# Altium PCB PCB.PcbDoc (part 3 of 3)
Units mm, origin at the board's own origin, x right, y up, seen from the top; angles counter-clockwise.
Board outline 85 x 56 mm, 4 copper layers (L01_SIG/PWR, L02_GND, L03_SIG, L04_SIG/PWR), stack 1.586 mm thick; 279 components, 197 nets, 982 pads, 787 vias.
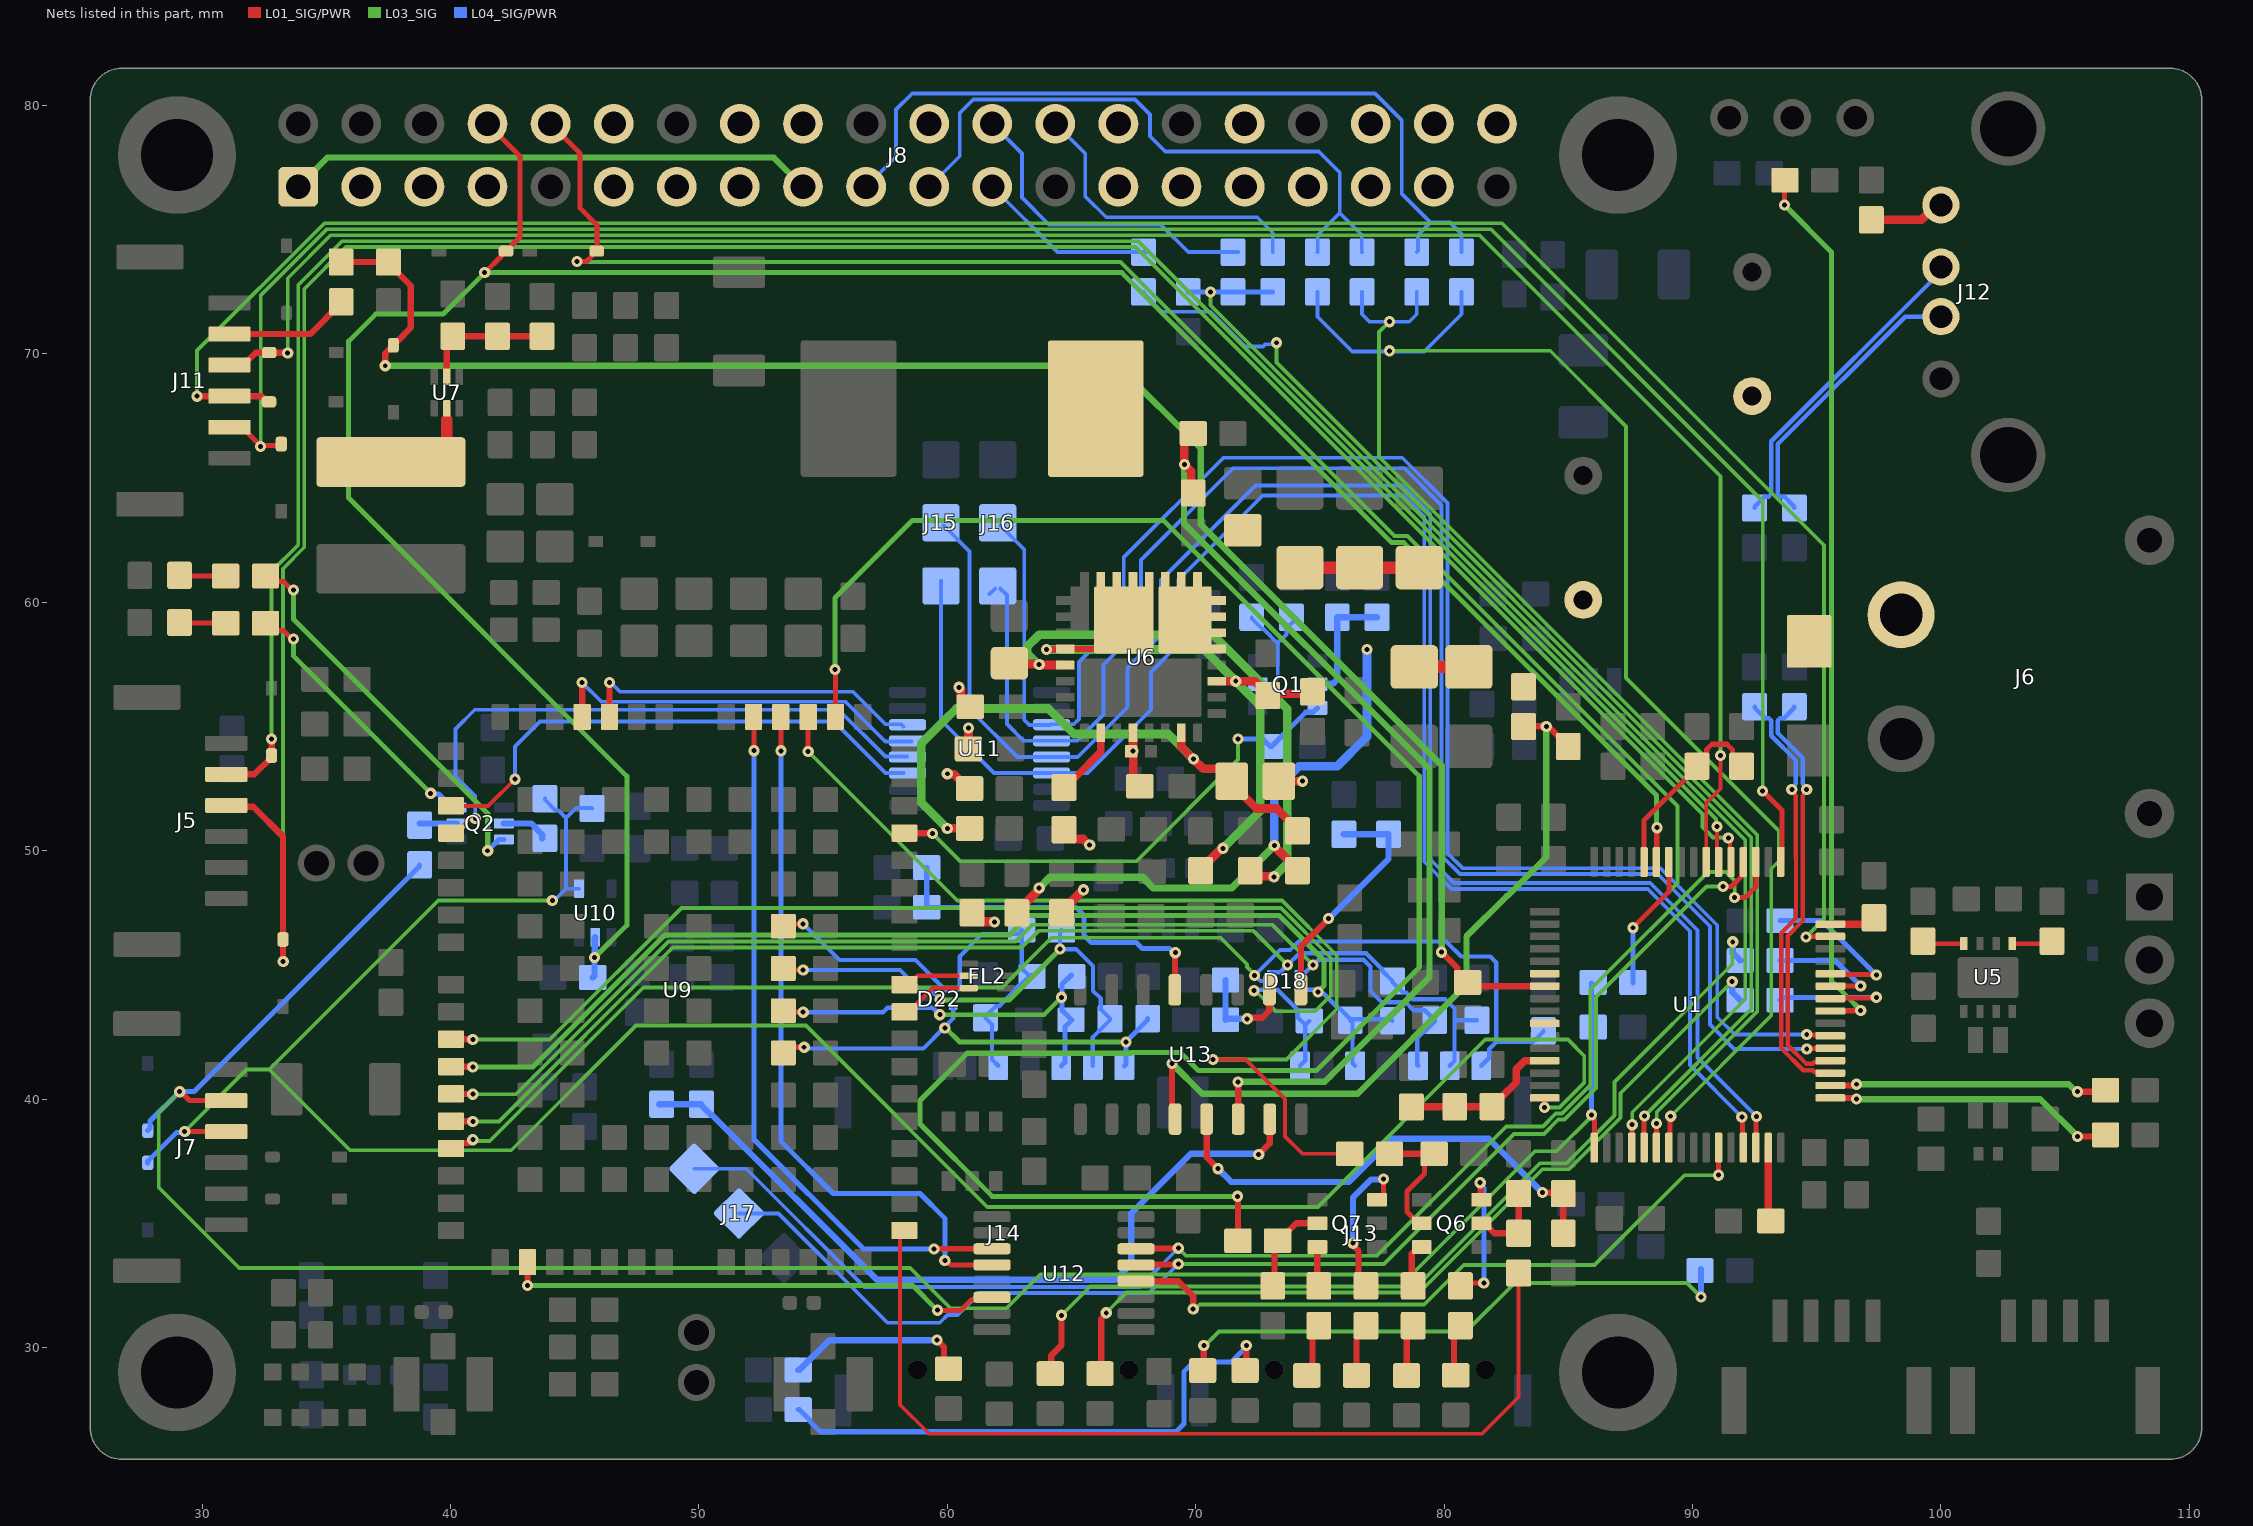
[diagram p5: the nets of this part, all layers, seen from the top]

## Via types
v1: diameter 0.45, hole 0.2, L01_SIG/PWR to L04_SIG/PWR, tented both sides, 787 vias

## Nets (pads, with @x,y where several pads share a name; then routed paths per layer and width w, separated by ;. In a path a pad name is that pad's centre, name@x,y a point inside that pad or via, vN(x,y) a via of type N, cw(c..) or ccw(c..) an arc to the next point about the centre after c; other vN are vias at no path point) (continued)
NetD2_2: D2.2 R3.2 | length 38
  L01_SIG/PWR w0.254: D2.2@64.146,28.95 64.182,28.986 64.182,29.682 64.6,30.1 v1(64.6,31.297)
  L03_SIG w0.152: v1@64.6,31.3 65.759,32.459 78.9,32.459 83.859,37.417 84.928,37.417 86.859,39.348 86.859,40.692 91.6,45.433 91.6,46.314 v1(91.621,46.334)
  L04_SIG/PWR w0.254: v1(91.621,46.334) 91.621,45.889 R3.2@91.925,45.584
NetD3_2: D3.2 R4.2 | length 34.7
  L01_SIG/PWR w0.254: D3.2@66.2,29 66.2,31.153 66.4,31.353 v1(66.4,31.4)
  L03_SIG w0.152: v1(66.4,31.4) 67.217,32.217 79,32.217 83.959,37.176 85.028,37.176 87.1,39.248 87.1,40.234 v1(91.6,44.734)
  L04_SIG/PWR w0.254: v1(91.6,44.734) 91.6,44.309 R4.2@91.925,43.984
NetD19_2: D19.2 R58.2 | length 2.2
  L01_SIG/PWR w0.254: D19.2@80.4,28.612 80.4,30.55 R58.2@80.6,30.75
NetD20_2: D20.2 R59.2 | length 2.2
  L01_SIG/PWR w0.254: D20.2@78.5,28.669 78.5,30.55 R59.2@78.7,30.75
NetD21_2: D21.2 R129.2 | length 2.1
  L01_SIG/PWR w0.254: D21.2@76.475,28.779 76.475,30.425 R129.2@76.8,30.75
NetD32_1: D32.1 R123.1 | length 22.3
  L01_SIG/PWR w0.254: D32.1@72.039,28.986 v1(72.039,30.087)
  L04_SIG/PWR w0.203: R123.1@54,27.5 54.05,27.5 54.448,27.102 54.448,27.052 54.889,26.611 69.211,26.611 69.524,26.924 69.524,29.024 69.91,29.41 71.421,29.41 v1@72.111,30.1
NetD33_1: D33.1 R124.1 | length 7.5
  L01_SIG/PWR w0.254: v1(59.59,30.3) 59.865,30.025 59.865,29.435 D33.1@60.2,29.1
  L04_SIG/PWR w0.254: R124.1@54,29.1 54.05,29.1 55.25,30.3 v1(59.59,30.3)
NetD34_1: D34.1 R125.1 | length 23.4
  L01_SIG/PWR w0.254: D34.1@70.328,29.041 v1(70.328,30.087)
  L03_SIG w0.152: v1@70.4,30.1 70.941,30.641 80.887,30.641 82.846,32.6 89.78,32.6 v1(90.341,32.04)
  L04_SIG/PWR w0.254: v1(90.341,32.04) R125.1@90.341,33.159
NetD35_2: D35.2 R130.2 | length 2.1
  L01_SIG/PWR w0.254: D35.2@74.475,28.779 74.7,29.004 74.7,30.55 R130.2@74.9,30.75
NetQ1_2: Q1.2 R49.1 R51.2 | length 5.3
  L04_SIG/PWR w0.152: Q1.2@72.176,56.704 72.244,56.772 Q1.2@72.244,56.831 ; R51.2@72.254,59.4 72.254,59.35 72.678,58.926 72.728,58.926 73.3,58.354 ; Q1.2@72.5,56.7 73.05,56.7 73.3,56.95 73.3,58.354 ; R49.1@74.054,59.353 73.657,58.955 73.657,58.711 73.3,58.354
NetQ1_5: Q1.5 R50.1 R52.2 | length 5
  L04_SIG/PWR w0.254: Q1.5@74.9,56.716 74.916,56.732 75.532,56.732 75.7,56.9 R50.1@75.7,59.4 75.9,59.4 R52.2@77.3,59.4
NetQ6_3: Q6.3 R59.1 | length 1.9
  L01_SIG/PWR w0.254: R59.1@78.7,32.35 78.7,33.775 78.975,34.05 Q6.3@79.1,34.05
NetQ6_6: Q6.6 R58.1 | length 5.8
  L01_SIG/PWR w0.203: R58.1@80.655,32.483 80.773,32.6 v1(81.6,32.6)
  L01_SIG/PWR w0.254: v1(81.453,36.637) 81.477,36.614 81.477,35.973 Q6.6@81.5,35.95
  L04_SIG/PWR w0.203: v1(81.453,36.637) 81.453,36.571 81.6,36.424 v1(81.6,32.6)
NetQ7_3: Q7.3 R130.1 | length 1.7
  L01_SIG/PWR w0.254: R130.1@74.9,32.35 Q7.3@74.9,34.05
NetQ7_6: Q7.6 R129.1 | length 6.3
  L01_SIG/PWR w0.203: Q7.6@77.3,35.95 77.38,35.95 77.565,36.136 v1(77.565,36.792)
  L01_SIG/PWR w0.254: v1(76.331,34.2) 76.369,34.162 76.369,34.078 76.557,33.89 76.557,32.781 R129.1@76.855,32.483
  L04_SIG/PWR w0.254: v1(76.331,34.2) 76.331,36.031 77.069,36.769 77.543,36.769 v1(77.565,36.792)
NRST: J11.2 R10.1 | length 5.2
  L01_SIG/PWR w0.254: J11.2@30.918,70.8 34.35,70.8 35.5,71.95 R10.1@35.5,72.1
NTWK_LED: Q6.2 R60.1 R127.2 | length 5.4
  L01_SIG/PWR w0.203: Q6.2@79.1,35 78.975,35 78.498,35.477 78.498,36.284 79.209,36.995 79.209,37.409 R127.2@79.6,37.8
  L01_SIG/PWR w0.254: R60.1@77.8,37.8 R127.2@79.6,37.8
OSC_OUT_RESERVED: U1.6
PPS_GNSS: U1.27 U12.12 | length 27.6
  L01_SIG/PWR w0.203: v1(91.048,36.94) 91.049,36.941 U1.27@91.05,38.05 U1.27@91.05,38.05
  L01_SIG/PWR w0.254: U12.12@67.6,32.675 69.298,32.675 69.9,32.073 v1(69.9,31.55)
  L03_SIG w0.152: v1(69.9,31.55) 69.981,31.55 70.165,31.735 79.2,31.735 80.789,33.324 86.061,33.324 89.677,36.94 v1(91.048,36.94)
PPS_GNSS_1V8: U9.51 U12.6 | length 20.2
  L01_SIG/PWR w0.203: v1(59.602,31.505) 59.608,31.499 60.537,31.499 60.946,31.908 61.683,31.908 U12.6@61.8,32.025
  L01_SIG/PWR w0.254: v1(43.1,32.5) U9.51@43.1,33.412
  L03_SIG w0.203: v1(43.1,32.5) 58.607,32.5 v1(59.602,31.505)
PVDD: C40.2 R35.2 U6.21 | length 23.2
  L01_SIG/PWR w0.35: C40.2@62.5,57.55 62.531,57.519 63.681,57.519 v1(63.7,57.5) 63.727,57.5 63.752,57.475 U6.21@64.75,57.475 ; R35.2@72.2,49.2 72.429,48.971 73.132,48.971 v1(73.151,48.951)
  L03_SIG w0.35: v1(63.7,57.5) 63.673,57.5 63.623,57.55 63.605,57.55 63.222,57.933 63.222,58.222 63.7,58.7 70.7,58.7 73.69,55.71 73.69,49.49 v1(73.151,48.951)
PWRKEY_3V8: C66.2 Q1.6 U9.15 | length 20.4
  L01_SIG/PWR w0.254: U9.15@58.275,50.712 58.281,50.706 59.394,50.706 v1(59.4,50.7)
  L03_SIG w0.152: v1(59.4,50.7) 60.526,49.574 67.605,49.574 71.7,53.669 v1(71.7,54.5)
  L04_SIG/PWR w0.203: v1(71.7,54.5) 72.7,54.5 C66.2@73,54.2 73.05,54.2 74.427,55.577 74.727,55.577 Q1.6@74.9,55.75
Q1_G1: Q2.2 R70.2 | length 1.5
  L04_SIG/PWR w0.254: R70.2@38.76,51.097 Q2.2@40.25,51.097
Q1_G2: Q2.5 R71.1 | length 1.9
  L04_SIG/PWR w0.254: Q2.5@42.15,51.1 43.25,51.1 43.7,50.65 R71.1@43.7,50.5
R_D30: D30.1 R72.1 | length 1.9
  L01_SIG/PWR w0.203: D30.1@29.091,61.088 29.117,61.062 R72.1@30.951,61.062 ; R72.1@30.951,61.062 R72.1@30.952,61.061
R_D31: D31.1 R73.1 | length 1.9
  L01_SIG/PWR w0.203: D31.1@29.091,59.188 29.117,59.162 R73.1@30.951,59.162 ; R73.1@30.951,59.162 R73.1@30.952,59.161
RPI_3V3: J8.1 J8.17 | length 21.3
  L03_SIG w0.24: J8.1@33.87,76.73 35.04,77.9 53.02,77.9 J8.17@54.19,76.73
RPI_CE0: J8.24 R18.1 | length 13.1
  L04_SIG/PWR w0.152: J8.24@61.81,79.27 63.005,78.075 63.005,76.295 64.087,75.213 68.587,75.213 69.7,74.1 R18.1@71.7,74.1
RPI_CE1: J8.26 R19.1 | length 12.4
  L04_SIG/PWR w0.152: J8.26@64.35,79.27 65.556,78.064 65.556,76.344 66.4,75.5 72.479,75.5 73.1,74.879 R19.1@73.1,74.1
RPI_GPIO1: J8.28
RPI_GPIO2: J8.3
RPI_GPIO3: J8.5
RPI_GPIO4: J8.7
RPI_GPIO5: J8.29
RPI_GPIO6: J8.31
RPI_GPIO12: J8.32
RPI_GPIO13: J8.33
RPI_GPIO16: J8.36
RPI_GPIO17: J8.11
RPI_GPIO18: J8.12
RPI_GPIO19: J8.35
RPI_GPIO20: J8.38
RPI_GPIO21: J8.40
RPI_GPIO22: J8.15
RPI_GPIO23: J8.16
RPI_GPIO24: J8.18
RPI_GPIO25: J8.22
RPI_GPIO26: J8.37
RPI_GPIO27: J8.13
RPI_ID_SD: J8.27
RPI_MISO: J8.21 R21.1 R22.1 | length 26.3
  L04_SIG/PWR w0.152: J8.21@59.27,76.73 60.5,77.96 60.5,79.7 61.046,80.246 67.554,80.246 68.16,79.64 68.16,78.761 68.774,78.147 74.953,78.147 75.8,77.3 75.8,75.674 ; R22.1@74.9,74.1 74.915,74.115 74.915,74.789 75.8,75.674 ; R21.1@76.7,74.1 76.685,74.115 76.685,74.789 75.8,75.674
RPI_MOSI: J8.19 R23.1 R24.1 | length 32.9
  L04_SIG/PWR w0.152: J8.19@56.73,76.73 57.936,77.936 57.936,79.836 58.588,80.487 77.213,80.487 78.3,79.401 78.3,76.434 79.448,75.286 ; R23.1@78.9,74.1 78.951,74.151 78.951,74.789 79.448,75.286 ; R24.1@80.7,74.1 80.7,74.831 80.244,75.286 79.448,75.286
RPI_SCLK: J8.23 R20.1 | length 7.4
  L04_SIG/PWR w0.152: J8.23@61.81,76.73 64.44,74.1 R20.1@68.1,74.1
RPI_USB_D_N: J12.2 R44.1 | length 12.9
  L04_SIG/PWR w0.178: R44.1@92.5,63.8 92.5,63.846 92.911,64.257 93.062,64.257 93.167,64.361 93.167,66.482 100,73.316 J12.2@100,73.5
RPI_USB_D_P: J12.3 R43.1 | length 11.6
  L04_SIG/PWR w0.178: R43.1@94.1,63.8 94.1,63.846 93.689,64.257 93.538,64.257 93.433,64.361 93.433,66.372 98.562,71.5 J12.3@100,71.5
RPI_USB_VBUS: J12.1 R47.2 | length 3
  L01_SIG/PWR w0.35: R47.2@97.2,75.4 99.22,75.4 99.82,76 J12.1@100,76
SGND: C36.1 C41.1 C42.1 C43.1 C44.1 NT1.2 R32.1 R37.1 R38.1 U6.28 | length 9.8
  L01_SIG/PWR w0.35: v1(60,53.1) 60.019,53.081 60.269,53.081 60.85,52.5 R37.1@60.9,52.5 ; v1(60.474,56.581) 60.474,56.554 60.55,56.478 60.55,56.125 60.875,55.8 C44.1@60.925,55.8 ; C42.1@60.85,54.1 60.852,54.102 60.852,54.943 v1(60.854,54.945) ; C43.1@64.719,50.781 65.025,50.475 65.463,50.475 65.705,50.232 v1(65.732,50.232) ; U6.28@67.475,54.75 67.475,54.017 v1(67.47,54.012) 67.489,53.993 67.489,52.861 C41.1@67.75,52.6 ; C36.1@73.35,52.8 v1(74.3,52.8)
  L01_SIG/PWR w0.381: R38.1@61,47.5 61,47.455 61.31,47.146 61.887,47.146 v1(61.9,47.132) ; R32.1@64.6,47.5 64.6,47.55 65.478,48.428 v1(65.487,48.428)
SLEEP_LED: Q6.5 R126.1 R128.2 | length 3.3
  L01_SIG/PWR w0.254: Q6.5@81.5,35 81.625,35 82.025,34.6 R126.1@83,34.6 R128.2@83,36.2
SPI1_MISO: R21.2 R23.2 U1.22 | length 45.7
  L01_SIG/PWR w0.203: U1.22@88.55,38.05 88.552,38.052 88.552,39.024 v1(88.554,39.026)
  L03_SIG w0.152: v1(77.8,71.299) 77.382,70.881 77.382,65.863 92.606,50.639 92.606,43.526 88.56,39.48 88.56,39.031 v1(88.554,39.026)
  L04_SIG/PWR w0.152: R21.2@76.7,72.5 76.7,71.6 77.001,71.299 v1(77.8,71.299) 78.599,71.299 78.9,71.6 R23.2@78.9,72.5
SPI1_MOSI: R22.2 R24.2 U1.23 | length 53.1
  L01_SIG/PWR w0.203: U1.23@89.05,38.05 89.05,38.512 89.086,38.548 89.086,39.276 v1(89.122,39.312)
  L03_SIG w0.152: v1(77.809,70.125) 84.275,70.125 87.318,67.082 87.318,56.961 93.479,50.799 93.479,49.579 93.174,49.274 93.174,43.363 v1(89.122,39.312)
  L04_SIG/PWR w0.152: R22.2@74.9,72.5 74.9,71.5 76.3,70.1 77.783,70.1 v1(77.809,70.125) 77.834,70.1 79.2,70.1 80.7,71.6 R24.2@80.7,72.5
SPI1_NSS: R17.1 R18.2 R19.2 U1.20 | length 48.7
  L01_SIG/PWR w0.203: U1.20@87.55,38.038 87.561,38.049 87.561,38.961 v1(87.573,38.973)
  L03_SIG w0.152: v1(70.6,72.5) 70.6,71.963 92.123,50.439 92.123,44.023 87.573,39.473 v1(87.573,38.973)
  L04_SIG/PWR w0.203: R17.1@69.7,72.5 R19.2@73.1,72.5
SPI1_SCK: R20.2 U1.21 | length 48.5
  L01_SIG/PWR w0.203: U1.21@88.05,38.05 88.056,38.056 88.056,39.317 v1(88.062,39.323)
  L03_SIG w0.152: v1(73.251,70.451) 73.251,69.652 92.365,50.539 92.365,43.626 v1(88.062,39.323)
  L04_SIG/PWR w0.152: R20.2@67.9,72.5 67.9,72.45 68.65,71.7 70.6,71.7 71.999,70.301 72.722,70.301 72.815,70.394 73.194,70.394 v1(73.251,70.451)
SS_0V6: C43.2 U6.26 | length 2.9
  L01_SIG/PWR w0.3: C43.2@64.7,52.556 64.7,52.6 65.05,52.95 65.144,52.95 66.175,53.981 U6.26@66.175,54.75
STA_OP_LED: Q7.2 R131.1 R133.2 | length 3.9
  L01_SIG/PWR w0.254: R133.2@73.1,32.35 73.1,32.5 73.175,32.575 73.175,34.175 R131.1@73.3,34.3 73.35,34.3 74.05,35 Q7.2@74.9,35
STATUS_NETWORK: R60.2 U9.21 | length 42
  L01_SIG/PWR w0.152: v1(70.7,41.6) 72,41.6 73.6,40 73.6,38.5 74.3,37.8 R60.2@76.2,37.8
  L01_SIG/PWR w0.203: v1(54.4,54) U9.21@54.4,55.387
  L03_SIG w0.152: v1(54.4,54) 60.4,48 73.473,48 75.677,45.796 75.677,43.619 73.658,41.6 v1(70.7,41.6)
STATUS_OPERATION: R131.2 U9.20 | length 81.2
  L01_SIG/PWR w0.203: v1(55.483,57.3) 55.5,57.283 U9.20@55.5,55.387
  L01_SIG/PWR w0.254: v1(71.689,36.09) 71.7,36.079 R131.2@71.7,34.3
  L03_SIG w0.203: v1(55.483,57.3) 55.483,60.183 58.6,63.3 68.7,63.3 79,53 79,45.3 74.849,41.149 70.11,41.149 69.373,41.886 67.425,41.886 67.387,41.848 60.802,41.848 58.9,39.946 58.9,39 61.81,36.09 v1(71.689,36.09)
STATUS_SLEEP: R126.2 U9.1 | length 38.1
  L01_SIG/PWR w0.152: U9.1@58.275,34.712 58.1,34.537 58.1,27.7 59.272,26.528 81.531,26.528 83,27.997 R126.2@83,33
STM_BOOT0: R11.1 R12.2 U1.60 | length 7.1
  L01_SIG/PWR w0.203: U1.60@88.05,49.55 88.05,51.223 89.807,52.98 R11.1@89.807,53.08 ; R11.1@90.177,53.4 90.575,53.798 90.575,54.084 90.779,54.288 91.382,54.288 91.608,54.062 91.608,53.769 R12.2@91.977,53.4
STM_RESET: C16.2 D4.2 R8.1 R10.2 U1.7 | length 70.3
  L01_SIG/PWR w0.254: R10.2@35.5,73.7 R8.1@37.5,73.7 37.5,73.65 38.4,72.75 38.4,71.05 37.868,70.518 37.798,70.518 D4.2@37.7,70.42 ; v1(37.375,69.525) 37.375,70.025 37.532,70.182 37.602,70.182 37.7,70.28 D4.2@37.7,70.35 ; v1(79.9,45.915) 80.527,45.288 80.527,45.073 80.785,44.815 81,44.815 81.265,44.55 U1.7@84.05,44.55
  L03_SIG w0.254: v1(37.375,69.525) 66.875,69.525 70.2,66.2 70.2,63.134 79.9,53.434 v1(79.9,45.915)
STM_USB_D_N: R46.1 U1.35 | length 17.3
  L01_SIG/PWR w0.178: v1(93.998,52.461) 93.998,52.387 94.165,52.221 94.165,49.709 94.167,49.707 94.167,47.282 93.566,46.681 93.566,42.061 94.46,41.167 94.835,41.167 94.891,41.111 95.489,41.111 U1.35@95.55,41.05
  L04_SIG/PWR w0.178: R46.1@92.5,55.8 92.5,55.754 92.911,55.343 93.062,55.343 93.167,55.239 93.167,54.627 94.165,53.629 94.165,52.701 93.998,52.534 v1(93.998,52.461)
STM_USB_D_P: R45.1 U1.36 | length 16.9
  L01_SIG/PWR w0.178: v1(94.598,52.461) 94.598,52.387 94.432,52.221 94.432,49.819 94.433,49.817 94.433,47.171 93.833,46.571 93.833,42.171 94.571,41.433 94.835,41.433 94.891,41.489 95.489,41.489 U1.36@95.55,41.55
  L04_SIG/PWR w0.178: R45.1@94.1,55.8 94.1,55.754 93.689,55.343 93.538,55.343 93.433,55.239 93.433,54.738 94.432,53.74 94.432,52.701 94.598,52.534 v1(94.598,52.461)
STM_USB_VBUS: R6.2 U1.34 | length 11.2
  L01_SIG/PWR w0.254: U1.34@95.55,40.55 96.497,40.55 96.547,40.6 v1(96.6,40.6) ; v1(105.5,40.3) 106.567,40.3 R6.2@106.627,40.36
  L03_SIG w0.254: v1(96.6,40.6) 105.147,40.6 105.447,40.3 v1(105.5,40.3)
SVIN: C36.2 R25.1 R33.2 U6.31 | length 23.9
  L01_SIG/PWR w0.35: v1(60,50.9) R33.2@60.9,50.9 ; U6.31@69.425,54.748 69.425,54.175 v1(69.913,53.687) 70.3,53.3 70.975,53.3 71.45,52.825 71.45,52.7 72.45,51.7 73.25,51.7 74.1,50.85 R25.1@74.1,50.8
  L03_SIG w0.35: v1(60,50.9) 58.954,51.946 58.954,54.317 59.911,55.274 60.367,55.73 64.07,55.73 65.1,54.7 68.9,54.7 v1(69.913,53.687)
SW: L2.1 U7.2 | length 4
  L01_SIG/PWR w0.3: 39.851,67.349 U7.2@39.851,67.809
  L01_SIG/PWR w0.45: L2.1@37.6,65.65 39.125,65.65 39.851,66.376 39.851,67.349
SWCLK: D7.2 J11.5 U1.49 | length 89.8
  L01_SIG/PWR w0.203: J11.5@30.721,67.05 J11.5@31.1,67.05 31.65,67.05 31.848,66.852 31.848,66.81 32.354,66.304 v1@32.354,66.279 ; v1(32.358,66.275) 32.392,66.308 33.058,66.308 D7.2@33.1,66.35 ; v1(92.825,52.41) 93.598,51.636 93.598,49.598 U1.49@93.55,49.55
  L03_SIG w0.152: v1(32.358,66.275) 32.358,72.358 35.024,75.024 81.876,75.024 92.825,64.075 v1(92.825,52.41)
SWDIO: D8.2 J11.4 U1.46 | length 94.9
  L01_SIG/PWR w0.203: v1(94.568,46.532) 94.577,46.541 95.541,46.541 U1.46@95.55,46.55
  L01_SIG/PWR w0.254: v1(29.8,68.3) 32.394,68.3 32.622,68.072 D8.2@32.692,68.072
  L03_SIG w0.152: v1(29.8,68.3) 29.8,70.141 34.924,75.265 82.335,75.265 95.3,62.3 95.3,47.264 v1(94.568,46.532)
SWITCH_NODE: C28.1 L1.1 R28.2 R29.2 U6.3 U6.12 U6.13 U6.14 U6.15 U6.20 U6.35 | length 25
  L01_SIG/PWR w0.254: v1(64,58.1) 64.012,58.112 64.738,58.112 U6.20@64.75,58.125 66.037,58.125 67.105,59.193 U6.35@67.105,59.295
  L01_SIG/PWR w0.35: R29.2@70.2,49.2 70.2,49.25 71.031,50.081 71.081,50.081 v1(71.1,50.1) ; U6.3@70.85,56.825 v1(71.613,56.825) 72.375,56.825 72.9,56.3 C28.1@72.9,56.25 72.975,56.325 74.625,56.325 R28.2@74.7,56.4
  L03_SIG w0.35: v1(64,58.1) 70.337,58.1 v1(71.613,56.825) 71.617,56.825 72.6,55.842 72.6,51.6 v1(71.1,50.1)
SWO: D6.2 J11.3 U1.55 | length 83.2
  L01_SIG/PWR w0.152: U1.55@90.555,49.555 90.555,51.924 91.127,52.495 v1(91.127,53.836)
  L01_SIG/PWR w0.254: J11.3@31.6,69.5 32.155,70.055 v1@33.432,70.055
  L03_SIG w0.152: v1(33.448,70.039) 33.448,73.048 35.183,74.783 81.417,74.783 91.127,65.073 v1(91.127,53.836)
TIM1_CH1_LED_RED: R4.1 U1.41 | length 5.8
  L01_SIG/PWR w0.203: U1.41@95.55,44.05 95.575,44.075 97.375,44.075 v1(97.4,44.1)
  L04_SIG/PWR w0.203: R4.1@93.525,43.984 93.641,44.1 v1(97.4,44.1)
TIM1_CH2_LED_BLUE: R3.1 U1.42 | length 4.9
  L01_SIG/PWR w0.203: U1.42@95.551,44.551 v1@96.772,44.551
  L04_SIG/PWR w0.203: R3.1@93.525,45.584 95.74,45.584 v1(96.773,44.552)
TIM1_CH3_LED_GREEN: R2.1 U1.43 | length 6.7
  L01_SIG/PWR w0.203: U1.43@95.55,45.05 95.575,45.025 97.375,45.025 v1(97.4,45)
  L04_SIG/PWR w0.203: R2.1@93.525,47.184 95.216,47.184 v1(97.4,45)
TIM8_CH4_IR_DETECTOR: R7.2 U1.40 | length 36
  L01_SIG/PWR w0.203: v1(93.7,76) 93.7,76.969 R7.2@93.724,76.993 ; U1.40@95.55,43.55 95.558,43.558 96.775,43.558 v1@96.784,43.567
  L03_SIG w0.203: v1(93.7,76) 95.6,74.1 95.6,44.75 96.207,44.143 v1@96.784,43.567
  other v1: 96.773,43.567
TJA1051_RX: R14.1 U5.4 | length 1.7
  L01_SIG/PWR w0.178: R14.1@99.275,46.362 99.375,46.262 U5.4@100.925,46.262
TJA1051_TX: R13.1 U5.1 | length 1.6
  L01_SIG/PWR w0.178: U5.1@102.875,46.262 104.375,46.262 R13.1@104.475,46.362
TLV62585_FB_0V6: C49.1 R39.1 R40.2 U7.5 | length 5.6
  L01_SIG/PWR w0.254: U7.5@39.851,69.079 39.851,70.651 C49.1@40.155,70.955 ; C49.1@40.095,70.715 R39.1@41.889,70.715 R40.2@43.689,70.715
TSNS_BUCK: R108.1 R115.2 U13.14 | length 38.4
  L01_SIG/PWR w0.254: v1(71.707,40.697) 71.709,40.696 71.709,39.201 U13.14@71.71,39.2
  L01_SIG/PWR w0.35: R108.1@69.9,64.4 69.825,64.475 69.825,65.27 v1(69.546,65.549) 69.546,66.475 69.871,66.8 R115.2@69.9,66.8
  L03_SIG w0.254: v1(69.546,65.549) 69.53,65.533 69.53,63.17 79.417,53.283 79.417,44.917 75.197,40.697 v1(71.707,40.697)
TSNS_EG: R109.1 R116.2 U13.15 | length 32
  L01_SIG/PWR w0.254: v1(72.536,37.774) 72.98,38.218 U13.15@72.98,39.2
  L04_SIG/PWR w0.254: R109.1@48.4,39.8 R116.2@50.1,39.8 50.1,39.75 50.473,39.377 50.524,39.377 57.171,32.73 66.755,32.73 67.4,33.375 67.4,35.4 69.806,37.806 72.504,37.806 v1(72.536,37.774)
TSNS_STM: R107.1 R114.2 U13.13 | length 19.6
  L01_SIG/PWR w0.254: U13.13@70.44,39.2 70.445,39.195 70.445,37.655 v1(70.9,37.2) ; v1(83.963,36.237) 84.637,36.237 84.7,36.3 R107.1@84.8,36.2 R114.2@84.8,34.6
  L04_SIG/PWR w0.254: v1(70.9,37.2) 71.432,36.668 76.175,36.668 77.908,38.4 81.8,38.4 v1(83.963,36.237)
U0R_LED: Q2.6 R72.2 | length 15.9
  L01_SIG/PWR w0.203: R72.2@32.552,61.061 32.781,60.832 33.288,60.832 33.62,60.5 v1(33.686,60.5)
  L03_SIG w0.203: v1(33.686,60.5) 33.686,59.314 41.5,51.5 v1(41.5,50)
  L04_SIG/PWR w0.203: v1(41.5,50) 41.95,50.45 Q2.6@42.15,50.45
U0T_LED: Q2.3 R73.2 | length 11.2
  L01_SIG/PWR w0.203: R73.2@32.552,59.161 32.851,58.862 33.283,58.862 33.616,58.529 v1(33.682,58.529)
  L03_SIG w0.203: v1(33.682,58.529) 33.686,58.525 33.686,57.833 v1(39.205,52.314)
  L04_SIG/PWR w0.203: v1(39.205,52.314) 39.236,52.283 39.517,52.283 40.05,51.75 Q2.3@40.25,51.75
UART5_RX: D10.2 J5.2 U1.54 | length 90.7
  L01_SIG/PWR w0.152: v1(90.981,50.979) 90.981,49.665 U1.54@91.051,49.596
  L01_SIG/PWR w0.254: J5.2@30.975,53.075 32.106,53.075 32.798,53.767 D10.2@32.798,53.837 ; D10.2@32.798,53.837 v1@32.799,54.499
  L03_SIG w0.152: v1(32.8,54.5) 32.8,61.241 33.874,62.315 33.874,72.774 35.641,74.541 67.68,74.541 90.944,51.278 90.944,51.016 v1(90.981,50.979)
UART5_TX: D9.2 J5.3 U1.53 | length 104.5
  L01_SIG/PWR w0.152: v1(91.442,50.518) 91.442,50.438 91.515,50.364 91.515,49.585 U1.53@91.55,49.55
  L01_SIG/PWR w0.254: J5.3@30.975,51.825 31.026,51.774 32.057,51.774 33.256,50.575 D9.2@33.256,46.431 33.261,46.426 33.261,45.542 v1(33.265,45.537)
  L03_SIG w0.152: v1(33.265,45.537) 33.256,45.546 33.256,61.356 34.115,62.215 34.115,72.615 35.8,74.3 67.58,74.3 90.4,51.48 90.4,50.957 90.827,50.53 91.43,50.53 v1(91.442,50.518)
UART_AUX_EG_TO_STM: J16.2 U1.38 U11.11 | length 68
  L01_SIG/PWR w0.203: v1(94.6,42.6) 94.625,42.575 95.536,42.575 U1.38@95.55,42.561
  L04_SIG/PWR w0.152: J16.2@62.129,63.103 63.1,62.131 63.1,55.268 63.311,55.058 64.142,55.058 64.174,55.089 65.089,55.089 65.3,55.3 65.3,57.6 67.1,59.4 67.1,61.8 71.124,65.824 78.317,65.824 80.141,64 80.141,49.9 80.741,49.3 88.7,49.3 91,47 91,43.3 91.7,42.6 v1(94.6,42.6)
UART_AUX_EG_TO_STM_1V8: U9.27 U11.6 | length 13.9
  L01_SIG/PWR w0.254: U9.27@46.4,55.412 v1(46.4,56.777)
  L04_SIG/PWR w0.152: v1(46.4,56.777) 46.453,56.777 46.83,56.4 56.2,56.4 57.511,55.089 58.149,55.089 U11.6@58.238,55
UART_AUX_STM_TO_EG: J16.1 U1.37 U11.12 | length 66.9
  L01_SIG/PWR w0.203: v1(94.6,42.025) 94.612,42.038 95.538,42.038 U1.37@95.55,42.05
  L04_SIG/PWR w0.152: J16.1@61.7,60.334 J16.1@61.929,60.563 ; J16.1@62.129,60.563 62.4,60.291 62.4,55.1 63.075,54.425 63.692,54.425 U11.12@64.2,54.425 65.225,54.425 66.291,55.491 66.291,57.491 67.8,59 67.8,61.7 71.5,65.4 78.4,65.4 79.9,63.9 79.9,49.8 80.641,49.059 88.6,49.059 90.7,46.959 90.7,43 91.675,42.025 v1(94.6,42.025)
UART_AUX_STM_TO_EG_1V8: U9.28 U11.5 | length 15.6
  L01_SIG/PWR w0.254: U9.28@45.3,55.412 v1(45.3,56.777)
  L04_SIG/PWR w0.152: v1(45.3,56.777) 46.077,56 55.9,56 57.5,54.4 U11.5@58.567,54.4
UART_DBG_EG_TO_STM: J17.2 U1.52 U12.13 | length 54.1
  L01_SIG/PWR w0.203: v1(91.224,48.565) 91.571,48.565 92.002,48.996 92.002,49.502 U1.52@92.05,49.55
  L01_SIG/PWR w0.254: U12.13@67.6,33.325 67.621,33.346 69.279,33.346 v1(69.3,33.368)
  L03_SIG w0.152: v1(69.3,33.368) 77.58,33.368 82.813,38.6 84.018,38.6 84.598,39.18 84.851,39.18 86.121,40.45 86.121,44.116 90.57,48.565 v1(91.224,48.565)
  L04_SIG/PWR w0.152: J17.2@51.615,35.4 53.2,35.4 57.6,31 59.7,31 60.015,31.315 60.415,31.315 61.294,32.194 68.127,32.194 v1(69.3,33.368)
UART_DBG_EG_TO_STM_1V8: U9.22 U12.4 | length 28.7
  L01_SIG/PWR w0.203: v1(53.3,54.023) 53.3,54.55 U9.22@53.3,55.387 ; v1(59.9,33.5) 59.967,33.5 60.148,33.319 61.794,33.319 U12.4@61.8,33.325
  L04_SIG/PWR w0.203: v1(53.3,54.023) 53.3,38.3 55.4,36.2 58.9,36.2 59.915,35.185 59.915,33.515 v1(59.9,33.5)
UART_DBG_STM_TO_EG: J17.1 U1.51 U12.14 | length 57.9
  L01_SIG/PWR w0.203: v1(91.697,48.113) 92.113,48.113 92.55,48.55 U1.51@92.55,49.55
  L01_SIG/PWR w0.254: U12.14@67.6,33.975 67.612,33.988 69.288,33.988 v1(69.3,34)